# KiCad board Eclipse60.kicad_pcb (continued)
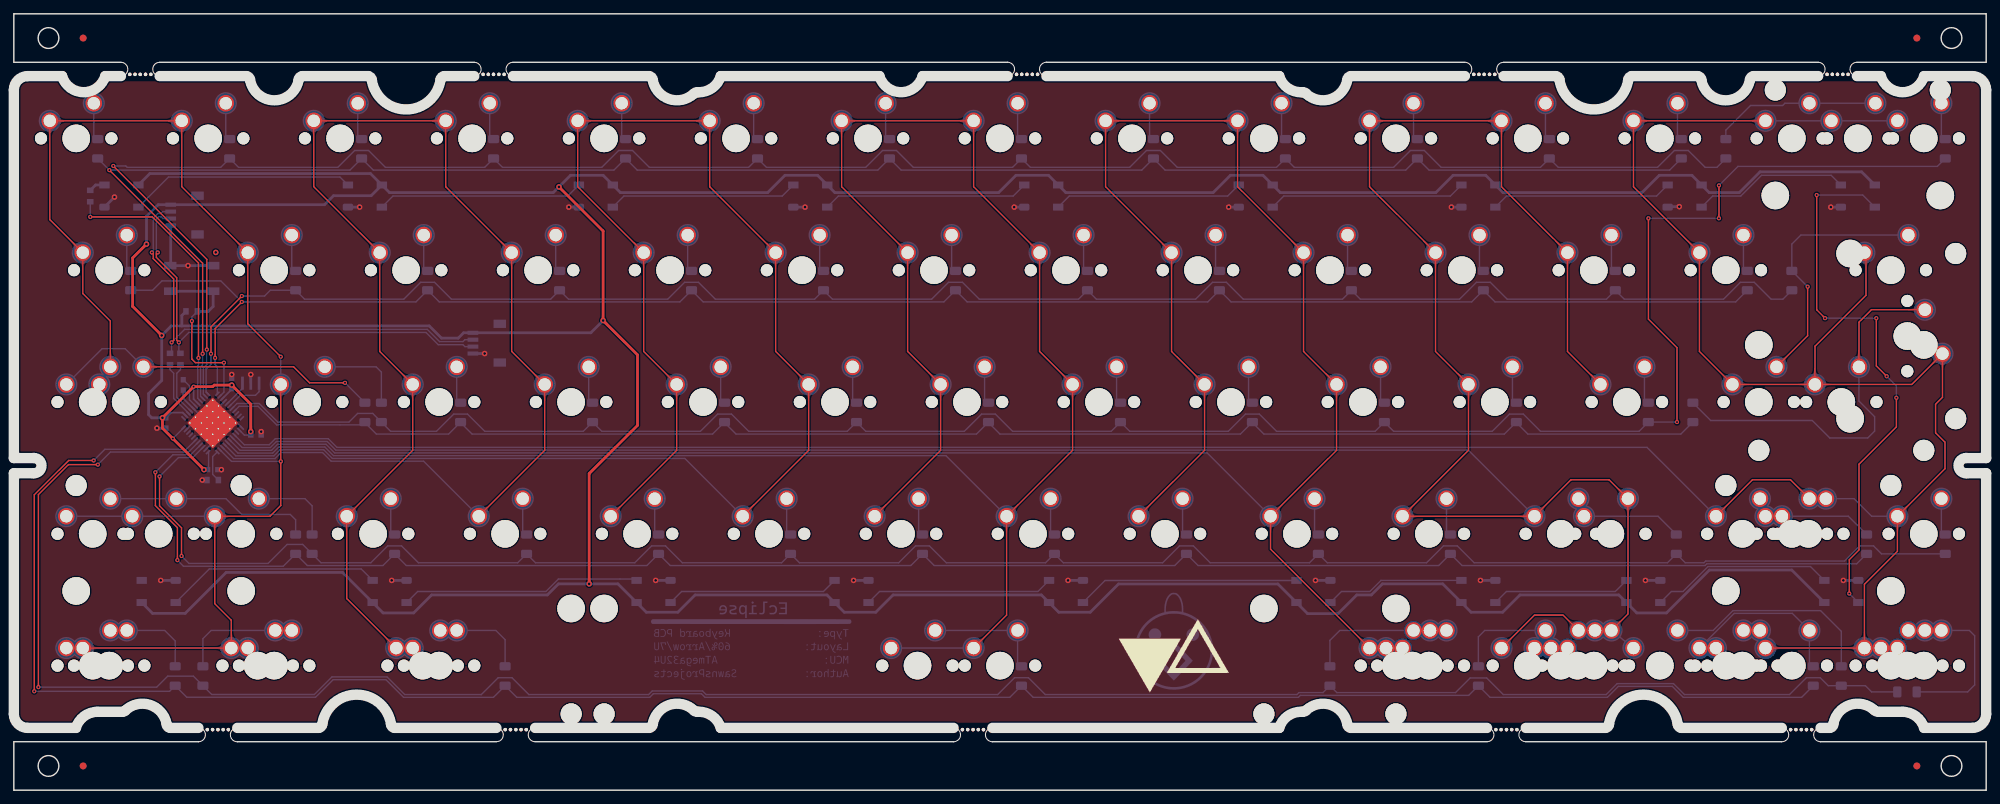
[diagram p0: board, top side]
## Copper pours and planes (outline as drawn; the poured copper is in the pictures) (continued)
C5 on Bottom: 217.74,41.21 217.81,41.14 217.88,41.06 217.93,41 217.98,40.93 218.03,40.86 218.06,40.8 218.1,40.74 218.12,40.67 218.15,40.61 218.17,40.55 218.18,40.49 218.2,40.43 218.21,40.37 218.21,40.32 218.25,39.75 218.26,39.67 218.27,39.6 218.28,39.53 218.3,39.45 218.32,39.37 218.34,39.28 218.37,39.2 219.93,39.17 219.9,40.72 219.81,40.75 219.73,40.78 219.64,40.8 219.57,40.81 219.49,40.83 219.42,40.84 219.35,40.84 218.78,40.88 218.72,40.89 218.66,40.9 218.6,40.91 218.54,40.93 218.48,40.94 218.42,40.97 218.36,41 218.29,41.03 218.23,41.07 218.16,41.11 218.1,41.16 218.03,41.22 217.96,41.28 217.88,41.35
C5 on Bottom: 233.17,21.17 233.06,21.25 232.97,21.34 232.88,21.42 232.81,21.5 232.74,21.59 232.68,21.67 232.63,21.75 232.58,21.82 232.54,21.9 232.51,21.98 232.48,22.06 232.46,22.13 232.44,22.21 232.42,22.29 232.4,22.37 232.39,22.45 232.33,22.87 232.31,22.96 232.3,23.05 232.28,23.14 232.25,23.24 232.23,23.34 232.19,23.44 232.15,23.55 232.11,23.66 232.06,23.77 229.99,23.58 230.26,21.52 230.38,21.49 230.5,21.48 230.61,21.46 230.71,21.45 230.82,21.45 230.92,21.44 231.01,21.44 231.11,21.45 231.2,21.45 231.62,21.49 231.7,21.49 231.78,21.49 231.86,21.49 231.94,21.49 232.02,21.48 232.1,21.47 232.19,21.46 232.27,21.44 232.36,21.41 232.45,21.37 232.54,21.33 232.63,21.29 232.73,21.23 232.83,21.17 232.94,21.09 233.04,21.01
C5 on Bottom: 232.54,21.66 232.47,21.73 232.39,21.79 232.33,21.86 232.27,21.92 232.22,21.98 232.18,22.04 232.14,22.1 232.1,22.15 232.07,22.21 232.05,22.27 232.03,22.33 232.01,22.39 231.99,22.44 231.98,22.5 231.88,23.06 231.86,23.13 231.84,23.2 231.82,23.28 231.8,23.35 231.77,23.43 231.74,23.51 231.7,23.6 230.15,23.45 230.35,21.91 230.44,21.89 230.52,21.88 230.61,21.87 230.69,21.86 230.76,21.85 230.84,21.85 230.91,21.85 231.48,21.88 231.54,21.88 231.6,21.87 231.66,21.87 231.72,21.86 231.78,21.85 231.84,21.83 231.91,21.81 231.98,21.78 232.04,21.75 232.11,21.72 232.19,21.67 232.26,21.63 232.34,21.57 232.42,21.51
C5 on Bottom: 231.24,22.45 231.34,22.37 231.44,22.28 231.52,22.2 231.6,22.12 231.66,22.03 231.72,21.95 231.78,21.87 231.82,21.8 231.86,21.72 231.89,21.64 231.92,21.56 231.95,21.48 231.97,21.41 231.99,21.33 232,21.25 232.01,21.17 232.08,20.75 232.09,20.66 232.11,20.57 232.13,20.48 232.15,20.38 232.18,20.28 232.21,20.18 232.25,20.07 232.29,19.96 232.35,19.85 234.41,20.04 234.14,22.1 234.02,22.13 233.91,22.14 233.8,22.16 233.69,22.17 233.59,22.17 233.49,22.18 233.39,22.18 233.3,22.17 233.21,22.17 232.79,22.13 232.71,22.13 232.62,22.13 232.54,22.13 232.46,22.13 232.38,22.14 232.3,22.15 232.22,22.16 232.13,22.18 232.05,22.21 231.96,22.25 231.87,22.29 231.77,22.33 231.67,22.39 231.57,22.45 231.47,22.53 231.36,22.61
C5 on Bottom: 231.86,21.95 231.94,21.89 232.01,21.83 232.07,21.76 232.13,21.7 232.18,21.64 232.23,21.58 232.27,21.52 232.3,21.47 232.33,21.41 232.36,21.35 232.38,21.29 232.4,21.23 232.41,21.18 232.43,21.12 232.53,20.56 232.54,20.49 232.56,20.42 232.58,20.34 232.61,20.27 232.64,20.19 232.67,20.11 232.71,20.02 234.26,20.17 234.06,21.71 233.97,21.73 233.88,21.74 233.8,21.75 233.72,21.76 233.64,21.77 233.57,21.77 233.5,21.77 232.93,21.74 232.87,21.74 232.81,21.75 232.75,21.75 232.69,21.76 232.62,21.77 232.56,21.79 232.5,21.81 232.43,21.84 232.36,21.87 232.29,21.9 232.22,21.95 232.14,21.99 232.07,22.05 231.99,22.11
C6 on Top: 236.18,96.84 236.08,96.84 235.98,96.85 235.89,96.86 235.81,96.87 235.73,96.88 235.66,96.9 235.59,96.92 235.53,96.95 235.47,96.97 235.42,97 235.36,97.03 235.31,97.07 235.26,97.1 235.21,97.14 234.79,97.52 234.73,97.56 234.67,97.61 234.61,97.65 234.54,97.69 234.47,97.74 234.39,97.78 234.31,97.82 233.19,96.74 234.31,95.66 234.39,95.7 234.47,95.74 234.54,95.79 234.61,95.83 234.67,95.87 234.73,95.92 234.79,95.96 235.21,96.34 235.26,96.38 235.31,96.41 235.36,96.45 235.42,96.48 235.47,96.51 235.53,96.53 235.59,96.56 235.66,96.58 235.73,96.6 235.81,96.61 235.89,96.62 235.98,96.63 236.08,96.64 236.18,96.64
C6 on Top: 250.45,96.64 250.55,96.64 250.65,96.63 250.74,96.62 250.82,96.61 250.9,96.6 250.97,96.58 251.04,96.56 251.1,96.53 251.16,96.51 251.21,96.48 251.27,96.45 251.32,96.41 251.37,96.38 251.42,96.34 251.84,95.96 251.9,95.92 251.96,95.87 252.02,95.83 252.09,95.79 252.16,95.74 252.24,95.7 252.32,95.66 253.44,96.74 252.32,97.82 252.24,97.78 252.16,97.74 252.09,97.69 252.02,97.65 251.96,97.61 251.9,97.56 251.84,97.52 251.42,97.14 251.37,97.1 251.32,97.07 251.27,97.03 251.21,97 251.16,96.97 251.1,96.95 251.04,96.92 250.97,96.9 250.9,96.88 250.82,96.87 250.74,96.86 250.65,96.85 250.55,96.84 250.45,96.84
C6 on Top: 247.32,41.35 247.24,41.28 247.17,41.22 247.1,41.16 247.03,41.11 246.97,41.07 246.91,41.03 246.84,41 246.78,40.97 246.72,40.94 246.66,40.93 246.6,40.91 246.54,40.9 246.48,40.89 246.42,40.88 245.85,40.84 245.78,40.84 245.71,40.83 245.63,40.81 245.55,40.8 245.47,40.78 245.39,40.75 245.3,40.72 245.27,39.17 246.83,39.2 246.86,39.28 246.88,39.37 246.9,39.45 246.92,39.53 246.93,39.6 246.94,39.67 246.95,39.75 246.99,40.32 246.99,40.37 247,40.43 247.02,40.49 247.03,40.55 247.05,40.61 247.07,40.67 247.1,40.74 247.14,40.8 247.17,40.86 247.22,40.93 247.27,41 247.32,41.06 247.39,41.14 247.46,41.21
C6 on Top: 257.43,43.75 257.5,43.68 257.56,43.6 257.62,43.54 257.67,43.47 257.71,43.4 257.75,43.34 257.78,43.28 257.81,43.21 257.84,43.15 257.85,43.09 257.87,43.03 257.88,42.97 257.89,42.91 257.9,42.86 257.94,42.29 257.94,42.21 257.95,42.14 257.97,42.07 257.98,41.99 258,41.91 258.03,41.82 258.06,41.74 259.61,41.71 259.58,43.26 259.5,43.29 259.41,43.32 259.33,43.34 259.25,43.35 259.18,43.37 259.11,43.38 259.03,43.38 258.46,43.42 258.41,43.43 258.35,43.44 258.29,43.45 258.23,43.47 258.17,43.48 258.11,43.51 258.04,43.54 257.98,43.57 257.92,43.61 257.85,43.65 257.78,43.7 257.72,43.76 257.64,43.82 257.57,43.89
C6 on Top: 264.74,20.44 264.84,20.44 264.93,20.43 265.02,20.42 265.11,20.41 265.18,20.4 265.26,20.38 265.32,20.36 265.39,20.33 265.45,20.31 265.5,20.28 265.56,20.25 265.61,20.21 265.66,20.18 265.7,20.14 266.13,19.76 266.19,19.72 266.25,19.67 266.31,19.63 266.38,19.59 266.45,19.54 266.52,19.5 266.6,19.46 267.73,20.54 266.6,21.62 266.52,21.58 266.45,21.54 266.38,21.49 266.31,21.45 266.25,21.41 266.19,21.36 266.13,21.32 265.7,20.94 265.66,20.9 265.61,20.87 265.56,20.83 265.5,20.8 265.45,20.77 265.39,20.75 265.32,20.72 265.26,20.7 265.18,20.68 265.11,20.67 265.02,20.66 264.93,20.65 264.84,20.64 264.74,20.64
C6 on Top: 267.03,22.93 267.03,22.83 267.02,22.73 267.01,22.64 267,22.56 266.98,22.48 266.96,22.41 266.94,22.34 266.92,22.28 266.89,22.22 266.86,22.17 266.83,22.11 266.8,22.06 266.77,22.01 266.73,21.96 266.35,21.54 266.31,21.48 266.26,21.42 266.22,21.36 266.17,21.29 266.13,21.22 266.09,21.14 266.05,21.06 267.13,19.94 268.21,21.06 268.17,21.14 268.12,21.22 268.08,21.29 268.04,21.36 267.99,21.42 267.95,21.48 267.9,21.54 267.53,21.96 267.49,22.01 267.45,22.06 267.42,22.11 267.39,22.17 267.36,22.22 267.34,22.28 267.31,22.34 267.29,22.41 267.27,22.48 267.26,22.56 267.24,22.64 267.23,22.73 267.23,22.83 267.23,22.93
C6 on Top: 271.99,37.2 271.99,37.3 272,37.4 272.01,37.49 272.02,37.57 272.03,37.65 272.05,37.72 272.07,37.79 272.1,37.85 272.12,37.91 272.15,37.96 272.18,38.02 272.22,38.07 272.25,38.12 272.29,38.17 272.67,38.59 272.71,38.65 272.76,38.71 272.8,38.77 272.84,38.84 272.89,38.91 272.93,38.99 272.97,39.07 271.89,40.19 270.81,39.07 270.85,38.99 270.89,38.91 270.94,38.84 270.98,38.77 271.02,38.71 271.07,38.65 271.11,38.59 271.49,38.17 271.53,38.12 271.56,38.07 271.6,38.02 271.63,37.96 271.66,37.91 271.68,37.85 271.71,37.79 271.73,37.72 271.75,37.65 271.76,37.57 271.77,37.49 271.78,37.4 271.79,37.3 271.79,37.2
C6 on Top: 255.23,20.64 255.13,20.64 255.03,20.65 254.94,20.66 254.86,20.67 254.78,20.68 254.71,20.7 254.64,20.72 254.58,20.75 254.52,20.77 254.47,20.8 254.41,20.83 254.36,20.87 254.31,20.9 254.26,20.94 253.84,21.32 253.78,21.36 253.72,21.41 253.66,21.45 253.59,21.49 253.52,21.54 253.44,21.58 253.36,21.62 252.24,20.54 253.36,19.46 253.44,19.5 253.52,19.54 253.59,19.59 253.66,19.63 253.72,19.67 253.78,19.72 253.84,19.76 254.26,20.14 254.31,20.18 254.36,20.21 254.41,20.25 254.47,20.28 254.52,20.31 254.58,20.33 254.64,20.36 254.71,20.38 254.78,20.4 254.86,20.41 254.94,20.42 255.03,20.43 255.13,20.44 255.23,20.44
C6 on Top: 250.47,58.74 250.37,58.74 250.27,58.75 250.18,58.76 250.1,58.77 250.02,58.78 249.95,58.8 249.88,58.82 249.82,58.85 249.76,58.87 249.7,58.9 249.65,58.93 249.6,58.97 249.55,59 249.5,59.04 249.07,59.42 249.02,59.46 248.96,59.51 248.9,59.55 248.83,59.59 248.76,59.64 248.68,59.68 248.6,59.72 247.48,58.64 248.6,57.56 248.68,57.6 248.76,57.64 248.83,57.69 248.9,57.73 248.96,57.77 249.02,57.82 249.07,57.86 249.5,58.24 249.55,58.28 249.6,58.31 249.65,58.35 249.7,58.38 249.76,58.41 249.82,58.43 249.88,58.46 249.95,58.48 250.02,58.5 250.1,58.51 250.18,58.52 250.27,58.53 250.37,58.54 250.47,58.54
C6 on Top: 257.59,58.54 257.7,58.54 257.79,58.53 257.88,58.52 257.96,58.51 258.04,58.5 258.11,58.48 258.18,58.46 258.24,58.43 258.3,58.41 258.36,58.38 258.41,58.35 258.46,58.31 258.51,58.28 258.56,58.24 258.99,57.86 259.04,57.82 259.1,57.77 259.16,57.73 259.23,57.69 259.3,57.64 259.38,57.6 259.46,57.56 260.58,58.64 259.46,59.72 259.38,59.68 259.3,59.64 259.23,59.59 259.16,59.55 259.1,59.51 259.04,59.46 258.99,59.42 258.56,59.04 258.51,59 258.46,58.97 258.41,58.93 258.36,58.9 258.3,58.87 258.24,58.85 258.18,58.82 258.11,58.8 258.04,58.78 257.96,58.77 257.88,58.76 257.79,58.75 257.7,58.74 257.59,58.74
C6 on Top: 276.78,61.32 276.85,61.39 276.92,61.46 276.99,61.51 277.06,61.56 277.13,61.61 277.19,61.65 277.25,61.68 277.31,61.71 277.38,61.73 277.44,61.75 277.5,61.77 277.55,61.78 277.61,61.79 277.67,61.8 278.24,61.83 278.31,61.84 278.39,61.85 278.46,61.86 278.54,61.88 278.62,61.9 278.71,61.92 278.79,61.95 278.82,63.51 277.27,63.48 277.24,63.39 277.21,63.31 277.19,63.23 277.18,63.15 277.16,63.07 277.15,63 277.15,62.93 277.11,62.36 277.1,62.3 277.09,62.24 277.08,62.18 277.06,62.12 277.04,62.06 277.02,62 276.99,61.94 276.96,61.88 276.92,61.81 276.88,61.75 276.83,61.68 276.77,61.61 276.71,61.54 276.64,61.47
C6 on Top: 243.42,75.3 243.42,75.4 243.42,75.5 243.43,75.59 243.44,75.67 243.46,75.75 243.48,75.82 243.5,75.89 243.52,75.95 243.55,76.01 243.58,76.06 243.61,76.12 243.64,76.17 243.68,76.22 243.71,76.27 244.09,76.69 244.14,76.75 244.18,76.81 244.22,76.87 244.27,76.94 244.31,77.01 244.35,77.09 244.4,77.17 243.32,78.29 242.24,77.17 242.28,77.09 242.32,77.01 242.36,76.94 242.41,76.87 242.45,76.81 242.49,76.75 242.54,76.69 242.92,76.27 242.95,76.22 242.99,76.17 243.02,76.12 243.05,76.06 243.08,76.01 243.11,75.95 243.13,75.89 243.15,75.82 243.17,75.75 243.19,75.67 243.2,75.59 243.21,75.5 243.21,75.4 243.22,75.3
C6 on Top: 262.37,58.74 262.27,58.74 262.18,58.75 262.09,58.76 262.01,58.77 261.93,58.78 261.86,58.8 261.79,58.82 261.72,58.85 261.67,58.87 261.61,58.9 261.56,58.93 261.5,58.97 261.46,59 261.41,59.04 260.98,59.42 260.92,59.46 260.87,59.51 260.8,59.55 260.74,59.59 260.66,59.64 260.59,59.68 260.51,59.72 259.38,58.64 260.51,57.56 260.59,57.6 260.66,57.64 260.74,57.69 260.8,57.73 260.87,57.77 260.92,57.82 260.98,57.86 261.41,58.24 261.46,58.28 261.5,58.31 261.56,58.35 261.61,58.38 261.67,58.41 261.72,58.43 261.79,58.46 261.86,58.48 261.93,58.5 262.01,58.51 262.09,58.52 262.18,58.53 262.27,58.54 262.37,58.54
C6 on Top: 246.32,60.26 246.39,60.19 246.45,60.11 246.51,60.05 246.56,59.98 246.6,59.91 246.64,59.85 246.67,59.79 246.7,59.72 246.72,59.66 246.74,59.6 246.76,59.54 246.77,59.48 246.78,59.42 246.79,59.37 246.82,58.8 246.83,58.72 246.84,58.65 246.86,58.58 246.87,58.5 246.89,58.42 246.92,58.33 246.94,58.25 248.5,58.22 248.47,59.77 248.38,59.8 248.3,59.83 248.22,59.85 248.14,59.86 248.07,59.88 247.99,59.89 247.92,59.89 247.35,59.93 247.29,59.94 247.23,59.95 247.17,59.96 247.11,59.98 247.05,59.99 246.99,60.02 246.93,60.05 246.87,60.08 246.8,60.12 246.74,60.16 246.67,60.21 246.6,60.27 246.53,60.33 246.46,60.4
C6 on Top: 233.89,94.35 233.89,94.45 233.9,94.55 233.91,94.64 233.92,94.72 233.93,94.8 233.95,94.87 233.97,94.94 234,95 234.02,95.06 234.05,95.11 234.08,95.17 234.12,95.22 234.15,95.27 234.19,95.32 234.57,95.74 234.61,95.8 234.66,95.86 234.7,95.92 234.74,95.99 234.79,96.06 234.83,96.14 234.87,96.22 233.79,97.34 232.71,96.22 232.75,96.14 232.79,96.06 232.84,95.99 232.88,95.92 232.92,95.86 232.97,95.8 233.01,95.74 233.39,95.32 233.43,95.27 233.46,95.22 233.5,95.17 233.53,95.11 233.56,95.06 233.58,95 233.61,94.94 233.63,94.87 233.65,94.8 233.66,94.72 233.67,94.64 233.68,94.55 233.69,94.45 233.69,94.35
C6 on Top: 241.55,79.31 241.63,79.24 241.69,79.16 241.74,79.1 241.79,79.03 241.84,78.96 241.88,78.9 241.91,78.84 241.94,78.77 241.96,78.71 241.98,78.65 242,78.59 242.01,78.53 242.02,78.47 242.03,78.42 242.06,77.85 242.07,77.77 242.08,77.7 242.09,77.63 242.11,77.55 242.13,77.47 242.15,77.38 242.18,77.3 243.74,77.27 243.71,78.82 243.62,78.85 243.54,78.88 243.46,78.9 243.38,78.91 243.3,78.93 243.23,78.94 243.16,78.94 242.59,78.98 242.53,78.99 242.47,79 242.41,79.01 242.35,79.03 242.29,79.04 242.23,79.07 242.17,79.1 242.11,79.13 242.04,79.17 241.98,79.21 241.91,79.26 241.84,79.32 241.77,79.38 241.7,79.45
C6 on Top: 273.51,41.35 273.44,41.28 273.36,41.22 273.3,41.16 273.23,41.11 273.16,41.07 273.1,41.03 273.04,41 272.97,40.97 272.91,40.94 272.85,40.93 272.79,40.91 272.73,40.9 272.67,40.89 272.62,40.88 272.05,40.84 271.97,40.84 271.9,40.83 271.83,40.81 271.75,40.8 271.67,40.78 271.58,40.75 271.5,40.72 271.47,39.17 273.02,39.2 273.05,39.28 273.08,39.37 273.1,39.45 273.11,39.53 273.13,39.6 273.14,39.67 273.14,39.75 273.18,40.32 273.19,40.37 273.2,40.43 273.21,40.49 273.23,40.55 273.24,40.61 273.27,40.67 273.3,40.74 273.33,40.8 273.37,40.86 273.41,40.93 273.46,41 273.52,41.06 273.58,41.14 273.65,41.21
C6 on Top: 278.5,60.69 278.5,60.8 278.51,60.89 278.52,60.98 278.53,61.06 278.54,61.14 278.56,61.21 278.58,61.28 278.61,61.34 278.63,61.4 278.66,61.46 278.69,61.51 278.73,61.56 278.76,61.61 278.8,61.66 279.18,62.09 279.22,62.14 279.26,62.2 279.31,62.27 279.35,62.33 279.39,62.4 279.44,62.48 279.48,62.56 278.4,63.68 277.32,62.56 277.36,62.48 277.4,62.4 277.45,62.33 277.49,62.27 277.53,62.2 277.58,62.14 277.62,62.09 278,61.66 278.04,61.61 278.07,61.56 278.1,61.51 278.14,61.46 278.16,61.4 278.19,61.34 278.21,61.28 278.24,61.21 278.25,61.14 278.27,61.06 278.28,60.98 278.29,60.89 278.3,60.8 278.3,60.69
C6 on Top: 259.88,61.03 259.88,60.93 259.88,60.83 259.87,60.74 259.86,60.66 259.84,60.58 259.82,60.51 259.8,60.44 259.78,60.38 259.75,60.32 259.72,60.27 259.69,60.21 259.66,60.16 259.62,60.11 259.59,60.06 259.21,59.64 259.16,59.58 259.12,59.52 259.07,59.46 259.03,59.39 258.99,59.32 258.95,59.24 258.9,59.16 259.98,58.04 261.06,59.16 261.02,59.24 260.98,59.32 260.94,59.39 260.89,59.46 260.85,59.52 260.8,59.58 260.76,59.64 260.38,60.06 260.35,60.11 260.31,60.16 260.28,60.21 260.25,60.27 260.22,60.32 260.19,60.38 260.17,60.44 260.15,60.51 260.13,60.58 260.11,60.66 260.1,60.74 260.09,60.83 260.09,60.93 260.08,61.03
C6 on Top: 267.46,75.31 267.46,75.42 267.47,75.52 267.47,75.61 267.49,75.7 267.5,75.78 267.52,75.86 267.54,75.93 267.56,76 267.59,76.07 267.62,76.13 267.65,76.19 267.68,76.25 267.71,76.3 268,76.72 268.03,76.78 268.07,76.84 268.1,76.91 268.14,76.97 268.17,77.05 268.2,77.12 268.23,77.2 268.26,77.29 268.29,77.38 267.01,78.28 266.17,76.97 266.22,76.9 266.27,76.84 266.33,76.78 266.38,76.72 266.43,76.67 266.48,76.62 266.91,76.25 266.95,76.21 266.99,76.16 267.03,76.12 267.06,76.07 267.09,76.02 267.12,75.97 267.15,75.92 267.17,75.86 267.2,75.8 267.21,75.73 267.23,75.66 267.24,75.58 267.25,75.5 267.26,75.41 267.26,75.31
C6 on Bottom: 263.96,42.23 263.86,42.23 263.76,42.24 263.68,42.25 263.59,42.26 263.52,42.27 263.44,42.29 263.38,42.31 263.31,42.34 263.25,42.36 263.2,42.39 263.14,42.42 263.09,42.46 263.04,42.49 263,42.53 262.57,42.91 262.51,42.95 262.45,43 262.39,43.04 262.32,43.08 262.25,43.13 262.18,43.17 262.09,43.21 260.97,42.13 262.09,41.05 262.18,41.09 262.25,41.13 262.32,41.18 262.39,41.22 262.45,41.26 262.51,41.31 262.57,41.35 263,41.73 263.04,41.77 263.09,41.8 263.14,41.84 263.2,41.87 263.25,41.9 263.31,41.92 263.38,41.95 263.44,41.97 263.52,41.99 263.59,42 263.68,42.01 263.76,42.02 263.86,42.03 263.96,42.03
C6 on Bottom: 269.5,39.49 269.6,39.49 269.7,39.48 269.79,39.47 269.87,39.46 269.95,39.45 270.02,39.43 270.09,39.41 270.15,39.38 270.21,39.36 270.26,39.33 270.32,39.3 270.37,39.26 270.42,39.23 270.47,39.19 270.89,38.81 270.95,38.77 271.01,38.72 271.07,38.68 271.14,38.64 271.21,38.59 271.29,38.55 271.37,38.51 272.49,39.59 271.37,40.67 271.29,40.63 271.21,40.59 271.14,40.54 271.07,40.5 271.01,40.46 270.95,40.41 270.89,40.37 270.47,39.99 270.42,39.95 270.37,39.92 270.32,39.88 270.26,39.85 270.21,39.82 270.15,39.8 270.09,39.77 270.02,39.75 269.95,39.73 269.87,39.72 269.79,39.71 269.7,39.7 269.6,39.69 269.5,39.69
C6 on Bottom: 264.76,42.23 264.62,42.23 264.5,42.24 264.38,42.25 264.27,42.27 264.16,42.29 264.07,42.32 263.98,42.35 263.89,42.38 263.81,42.42 263.74,42.45 263.67,42.5 263.6,42.54 263.54,42.59 263.47,42.64 263.41,42.69 263.35,42.75 263.04,43.04 262.97,43.1 262.9,43.16 262.83,43.22 262.75,43.28 262.67,43.34 262.58,43.4 262.48,43.46 262.38,43.51 262.27,43.57 260.77,42.13 262.27,40.69 262.38,40.75 262.48,40.8 262.58,40.86 262.67,40.92 262.75,40.98 262.83,41.04 262.9,41.1 262.97,41.16 263.04,41.22 263.35,41.51 263.41,41.57 263.47,41.62 263.54,41.67 263.6,41.72 263.67,41.76 263.74,41.8 263.81,41.84 263.89,41.88 263.98,41.91 264.07,41.94 264.16,41.97 264.27,41.99 264.38,42.01 264.5,42.02 264.62,42.03 264.76,42.03
C6 on Bottom: 268.7,39.49 268.84,39.49 268.96,39.48 269.08,39.47 269.19,39.45 269.3,39.43 269.39,39.4 269.48,39.37 269.57,39.34 269.65,39.3 269.72,39.26 269.79,39.22 269.86,39.18 269.93,39.13 269.99,39.08 270.05,39.03 270.11,38.97 270.42,38.68 270.49,38.62 270.56,38.56 270.63,38.5 270.71,38.44 270.8,38.38 270.88,38.32 270.98,38.26 271.08,38.21 271.19,38.15 272.69,39.59 271.19,41.03 271.08,40.97 270.98,40.92 270.88,40.86 270.8,40.8 270.71,40.74 270.63,40.68 270.56,40.62 270.49,40.56 270.42,40.5 270.11,40.21 270.05,40.15 269.99,40.1 269.93,40.05 269.86,40 269.79,39.96 269.72,39.91 269.65,39.88 269.57,39.84 269.48,39.81 269.39,39.78 269.3,39.75 269.19,39.73 269.08,39.71 268.96,39.7 268.84,39.69 268.7,39.69
C6 on Bottom: 243.37,41.77 243.46,41.68 243.55,41.58 243.62,41.49 243.69,41.4 243.75,41.31 243.8,41.22 243.84,41.14 243.88,41.06 243.91,40.97 243.93,40.89 243.95,40.81 243.97,40.73 243.98,40.65 243.99,40.57 244,40.49 244,40.41 244.01,39.99 244.02,39.9 244.03,39.8 244.04,39.71 244.05,39.61 244.07,39.51 244.09,39.4 244.11,39.29 244.15,39.18 244.18,39.06 246.26,39.02 246.22,41.1 246.1,41.14 245.99,41.17 245.88,41.2 245.78,41.22 245.68,41.24 245.58,41.25 245.48,41.26 245.39,41.27 245.3,41.27 244.87,41.28 244.79,41.29 244.71,41.3 244.63,41.3 244.55,41.32 244.47,41.33 244.39,41.35 244.31,41.38 244.23,41.41 244.15,41.44 244.06,41.49 243.98,41.54 243.89,41.6 243.8,41.66 243.71,41.74 243.61,41.82 243.51,41.92
C6 on Bottom: 243.94,41.21 244.01,41.14 244.07,41.06 244.13,41 244.18,40.93 244.22,40.86 244.26,40.8 244.29,40.74 244.32,40.67 244.34,40.61 244.36,40.55 244.38,40.49 244.39,40.43 244.4,40.37 244.41,40.32 244.44,39.75 244.45,39.67 244.46,39.6 244.47,39.53 244.49,39.45 244.51,39.37 244.53,39.28 244.56,39.2 246.12,39.17 246.09,40.72 246,40.75 245.92,40.78 245.84,40.8 245.76,40.81 245.68,40.83 245.61,40.84 245.54,40.84 244.97,40.88 244.91,40.89 244.85,40.9 244.79,40.91 244.73,40.93 244.67,40.94 244.61,40.97 244.55,41 244.49,41.03 244.42,41.07 244.36,41.11 244.29,41.16 244.22,41.22 244.15,41.28 244.08,41.35
C6 on Bottom: 259.18,96.64 259.31,96.64 259.44,96.63 259.56,96.62 259.67,96.6 259.77,96.58 259.87,96.55 259.96,96.52 260.04,96.49 260.12,96.45 260.2,96.41 260.27,96.37 260.34,96.33 260.4,96.28 260.46,96.23 260.53,96.18 260.59,96.12 260.89,95.83 260.96,95.77 261.03,95.71 261.11,95.65 261.19,95.59 261.27,95.53 261.36,95.47 261.46,95.41 261.56,95.36 261.67,95.3 263.17,96.74 261.67,98.18 261.56,98.12 261.46,98.07 261.36,98.01 261.27,97.95 261.19,97.89 261.11,97.83 261.03,97.77 260.96,97.71 260.89,97.65 260.59,97.36 260.53,97.3 260.46,97.25 260.4,97.2 260.34,97.15 260.27,97.11 260.2,97.06 260.12,97.03 260.04,96.99 259.96,96.96 259.87,96.93 259.77,96.9 259.67,96.88 259.56,96.86 259.44,96.85 259.31,96.84 259.18,96.84
C6 on Bottom: 259.98,96.64 260.08,96.64 260.17,96.63 260.26,96.62 260.34,96.61 260.42,96.6 260.49,96.58 260.56,96.56 260.62,96.53 260.68,96.51 260.74,96.48 260.79,96.45 260.84,96.41 260.89,96.38 260.94,96.34 261.37,95.96 261.42,95.92 261.48,95.87 261.55,95.83 261.61,95.79 261.68,95.74 261.76,95.7 261.84,95.66 262.97,96.74 261.84,97.82 261.76,97.78 261.68,97.74 261.61,97.69 261.55,97.65 261.48,97.61 261.42,97.56 261.37,97.52 260.94,97.14 260.89,97.1 260.84,97.07 260.79,97.03 260.74,97 260.68,96.97 260.62,96.95 260.56,96.92 260.49,96.9 260.42,96.88 260.34,96.87 260.26,96.86 260.17,96.85 260.08,96.84 259.98,96.84
C6 on Bottom: 256.03,96.84 255.89,96.84 255.77,96.85 255.65,96.86 255.54,96.88 255.43,96.9 255.34,96.93 255.25,96.96 255.16,96.99 255.08,97.03 255.01,97.06 254.94,97.11 254.87,97.15 254.8,97.2 254.74,97.25 254.68,97.3 254.62,97.36 254.31,97.65 254.24,97.71 254.17,97.77 254.1,97.83 254.02,97.89 253.93,97.95 253.85,98.01 253.75,98.07 253.65,98.12 253.54,98.18 252.04,96.74 253.54,95.3 253.65,95.36 253.75,95.41 253.85,95.47 253.93,95.53 254.02,95.59 254.1,95.65 254.17,95.71 254.24,95.77 254.31,95.83 254.62,96.12 254.68,96.18 254.74,96.23 254.8,96.28 254.87,96.33 254.94,96.37 255.01,96.41 255.08,96.45 255.16,96.49 255.25,96.52 255.34,96.55 255.43,96.58 255.54,96.6 255.65,96.62 255.77,96.63 255.89,96.64 256.03,96.64
C6 on Bottom: 265.56,96.84 265.42,96.84 265.29,96.85 265.17,96.86 265.06,96.88 264.96,96.9 264.86,96.93 264.77,96.96 264.69,96.99 264.61,97.03 264.53,97.06 264.46,97.11 264.39,97.15 264.33,97.2 264.27,97.25 264.2,97.3 264.14,97.36 263.84,97.65 263.77,97.71 263.7,97.77 263.62,97.83 263.54,97.89 263.46,97.95 263.37,98.01 263.27,98.07 263.17,98.12 263.06,98.18 261.57,96.74 263.06,95.3 263.17,95.36 263.27,95.41 263.37,95.47 263.46,95.53 263.54,95.59 263.62,95.65 263.7,95.71 263.77,95.77 263.84,95.83 264.14,96.12 264.2,96.18 264.27,96.23 264.33,96.28 264.39,96.33 264.46,96.37 264.53,96.41 264.61,96.45 264.69,96.49 264.77,96.52 264.86,96.55 264.96,96.58 265.06,96.6 265.17,96.62 265.29,96.63 265.42,96.64 265.56,96.64
C6 on Bottom: 255.23,96.84 255.13,96.84 255.03,96.85 254.94,96.86 254.86,96.87 254.78,96.88 254.71,96.9 254.64,96.92 254.58,96.95 254.52,96.97 254.47,97 254.41,97.03 254.36,97.07 254.31,97.1 254.26,97.14 253.84,97.52 253.78,97.56 253.72,97.61 253.66,97.65 253.59,97.69 253.52,97.74 253.44,97.78 253.36,97.82 252.24,96.74 253.36,95.66 253.44,95.7 253.52,95.74 253.59,95.79 253.66,95.83 253.72,95.87 253.78,95.92 253.84,95.96 254.26,96.34 254.31,96.38 254.36,96.41 254.41,96.45 254.47,96.48 254.52,96.51 254.58,96.53 254.64,96.56 254.71,96.58 254.78,96.6 254.86,96.61 254.94,96.62 255.03,96.63 255.13,96.64 255.23,96.64
C6 on Bottom: 268.7,96.64 268.84,96.64 268.96,96.63 269.08,96.62 269.19,96.6 269.3,96.58 269.39,96.55 269.48,96.52 269.57,96.49 269.65,96.45 269.72,96.41 269.79,96.37 269.86,96.33 269.93,96.28 269.99,96.23 270.05,96.18 270.11,96.12 270.42,95.83 270.49,95.77 270.56,95.71 270.63,95.65 270.71,95.59 270.8,95.53 270.88,95.47 270.98,95.41 271.08,95.36 271.19,95.3 272.69,96.74 271.19,98.18 271.08,98.12 270.98,98.07 270.88,98.01 270.8,97.95 270.71,97.89 270.63,97.83 270.56,97.77 270.49,97.71 270.42,97.65 270.11,97.36 270.05,97.3 269.99,97.25 269.93,97.2 269.86,97.15 269.79,97.11 269.72,97.06 269.65,97.03 269.57,96.99 269.48,96.96 269.39,96.93 269.3,96.9 269.19,96.88 269.08,96.86 268.96,96.85 268.84,96.84 268.7,96.84
C6 on Bottom: 269.5,96.64 269.6,96.64 269.7,96.63 269.79,96.62 269.87,96.61 269.95,96.6 270.02,96.58 270.09,96.56 270.15,96.53 270.21,96.51 270.26,96.48 270.32,96.45 270.37,96.41 270.42,96.38 270.47,96.34 270.89,95.96 270.95,95.92 271.01,95.87 271.07,95.83 271.14,95.79 271.21,95.74 271.29,95.7 271.37,95.66 272.49,96.74 271.37,97.82 271.29,97.78 271.21,97.74 271.14,97.69 271.07,97.65 271.01,97.61 270.95,97.56 270.89,97.52 270.47,97.14 270.42,97.1 270.37,97.07 270.32,97.03 270.26,97 270.21,96.97 270.15,96.95 270.09,96.92 270.02,96.9 269.95,96.88 269.87,96.87 269.79,96.86 269.7,96.85 269.6,96.84 269.5,96.84
C6 on Bottom: 264.76,96.84 264.65,96.84 264.56,96.85 264.47,96.86 264.39,96.87 264.31,96.88 264.24,96.9 264.17,96.92 264.11,96.95 264.05,96.97 263.99,97 263.94,97.03 263.89,97.07 263.84,97.1 263.79,97.14 263.36,97.52 263.31,97.56 263.25,97.61 263.18,97.65 263.12,97.69 263.05,97.74 262.97,97.78 262.89,97.82 261.77,96.74 262.89,95.66 262.97,95.7 263.05,95.74 263.12,95.79 263.18,95.83 263.25,95.87 263.31,95.92 263.36,95.96 263.79,96.34 263.84,96.38 263.89,96.41 263.94,96.45 263.99,96.48 264.05,96.51 264.11,96.53 264.17,96.56 264.24,96.58 264.31,96.6 264.39,96.61 264.47,96.62 264.56,96.63 264.65,96.64 264.76,96.64
R0 on Bottom: 49.43,90.39 50.4,90.73 50.41,91.51 49.63,91.5 49.29,90.53
R0 on Bottom: 13.01,90.53 12.67,91.5 11.89,91.51 11.9,90.73 12.87,90.39
R0 on Bottom: 51.11,90.53 50.77,91.5 49.99,91.51 50,90.73 50.97,90.39
R0 on Bottom: 165.41,90.53 165.07,91.5 164.29,91.51 164.3,90.73 165.27,90.39
R0 on Bottom: 89.21,90.53 88.87,91.5 88.09,91.51 88.1,90.73 89.07,90.39
R0 on Bottom: 127.31,90.53 126.97,91.5 126.19,91.51 126.2,90.73 127.17,90.39
R0 on Bottom: 87.53,90.39 88.5,90.73 88.51,91.51 87.73,91.5 87.39,90.53
R0 on Bottom: 203.51,90.53 203.17,91.5 202.39,91.51 202.4,90.73 203.37,90.39
R0 on Bottom: 125.63,90.39 126.6,90.73 126.61,91.51 125.83,91.5 125.49,90.53
R0 on Bottom: 163.73,90.39 164.7,90.73 164.71,91.51 163.93,91.5 163.59,90.53
R0 on Bottom: 201.83,90.39 202.8,90.73 202.81,91.51 202.03,91.5 201.69,90.53
R0 on Bottom: 239.93,90.39 240.9,90.73 240.91,91.51 240.13,91.5 239.79,90.53
R1 on Bottom: 68.48,90.39 69.45,90.73 69.46,91.51 68.68,91.5 68.34,90.53
R1 on Bottom: 32.06,90.53 31.72,91.5 30.94,91.51 30.95,90.73 31.92,90.39
R1 on Bottom: 70.16,90.53 69.82,91.5 69.04,91.51 69.05,90.73 70.02,90.39
R1 on Bottom: 106.58,90.39 107.55,90.73 107.56,91.51 106.78,91.5 106.44,90.53
R1 on Bottom: 144.68,90.39 145.65,90.73 145.66,91.51 144.88,91.5 144.54,90.53
R1 on Bottom: 220.88,90.39 221.85,90.73 221.86,91.51 221.08,91.5 220.74,90.53
R1 on Bottom: 182.78,90.39 183.75,90.73 183.76,91.51 182.98,91.5 182.64,90.53
R1 on Bottom: 108.26,90.53 107.92,91.5 107.14,91.51 107.15,90.73 108.12,90.39
R1 on Bottom: 146.36,90.53 146.02,91.5 145.24,91.51 145.25,90.73 146.22,90.39
R1 on Bottom: 184.46,90.53 184.12,91.5 183.34,91.51 183.35,90.73 184.32,90.39
